# Altium PCB OneChannelPrototype.PcbDoc (part 2 of 2)
Units mil, origin at the board's own origin, x right, y up, seen from the top; angles counter-clockwise.
Board outline 6000 x 4000 mil, 2 copper layers (Top Layer, Bottom Layer); 251 components, 206 nets, 944 pads, 0 vias.
Unrouted connection lines stored in the file: 704.
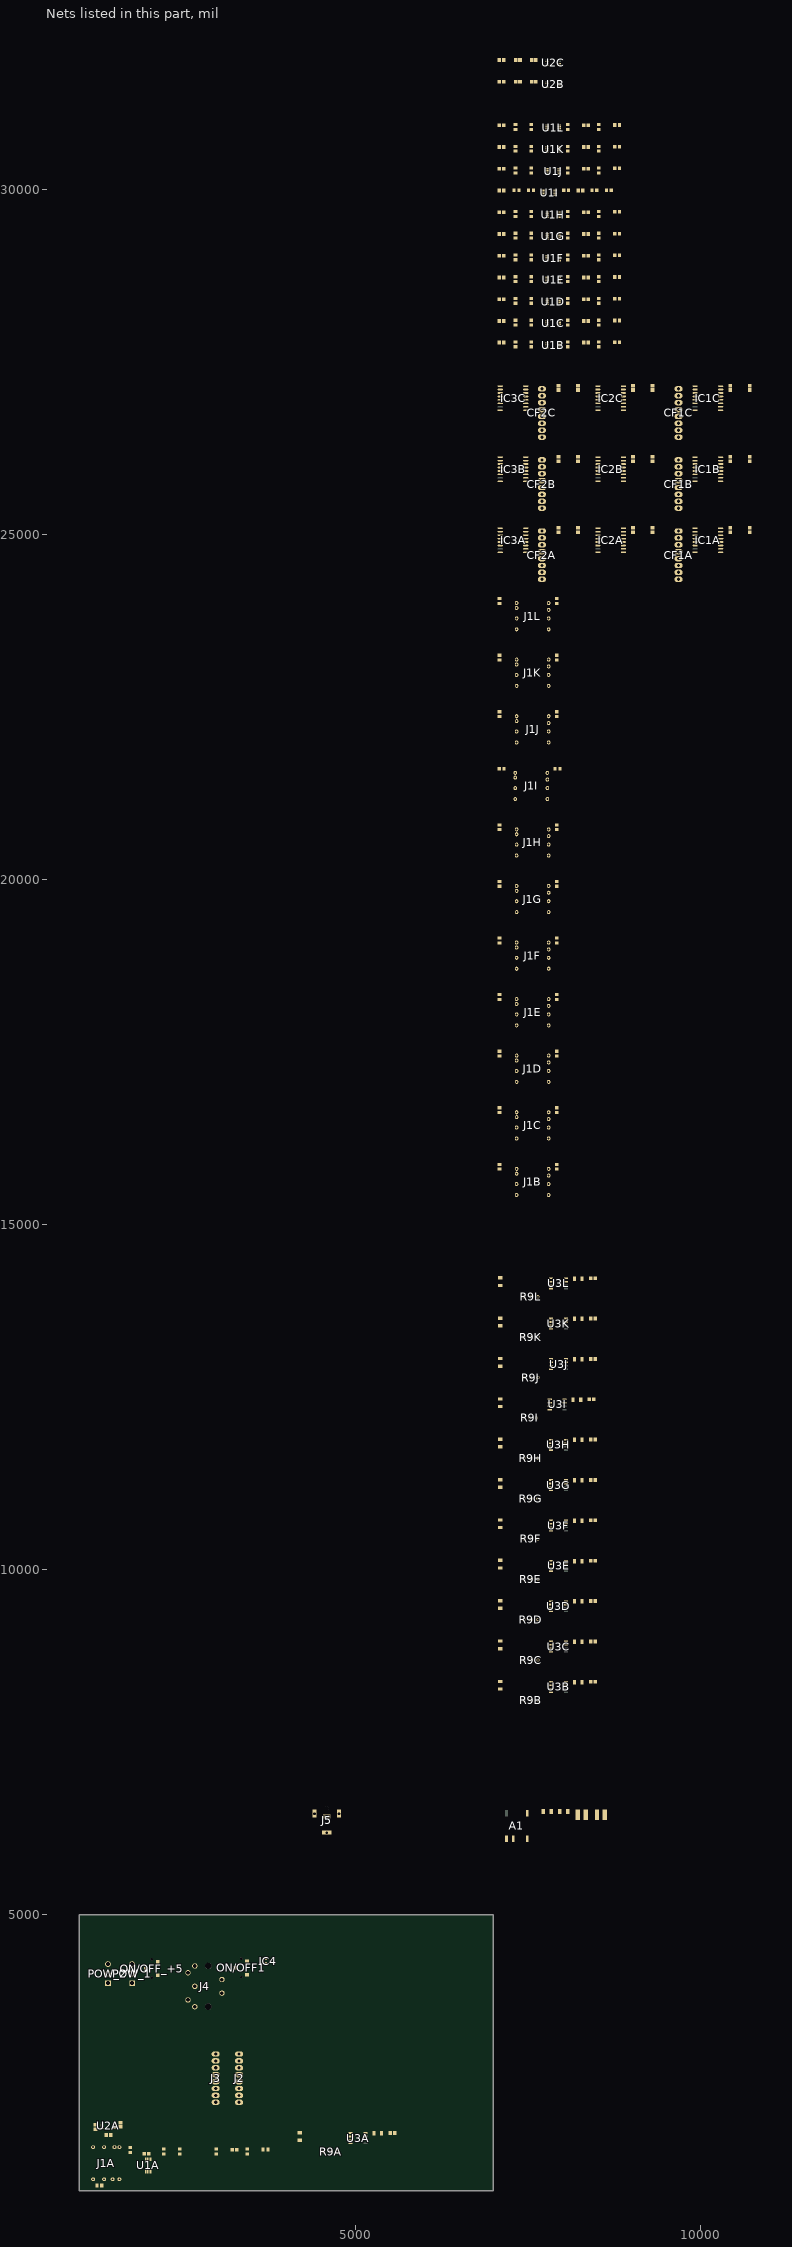
[diagram p2: the nets of this part, all layers, seen from the top]

## Part data
A1: "DC/DC SM 1W 5V-5V SINGLE 4.2KV", Current - Output (Max)=200mA, Device Package="14-SMD Module (5 Leads)", Manufacturer="Murata Power Solutions Inc.", Operating Temperature="-40C ~ 85C", Power (Watts)=1W, Supplier Part Number 1=811-3094-1-ND, Voltage - Input (Max)=5.5V, Voltage - Input (Min)=4.5V, Voltage - Isolation="4.2kV (4200V)", Voltage - Output 1=5V, ComponentLink1Description=Datasheet, ComponentLink1URL=http://power.murata.com/data/power/ncl/kdc_nxj1.pdf, ComponentLink2Description="Digi-Key Listing", ComponentLink2URL=https://www.digikey.com/product-detail/en/murata-power-solutions-inc/NXJ1S0505MC-R7/811-3094-1-ND/5697921, Number Of Outputs=1, PartId=14964, Part Number=NXJ1S0505MC-R7, Price=3.55, Supplier 1=Digi-Key, Type="Isolated Module"
C1A C1B C1C C1D C1E C1F C1G C1H C1I C1J C1K C1L C2A C2B C2C C2D C2E C2F C2G C2H C2I C2J C2K C2L C6A C6B C6C C6D C6E C6F C6G C6H C6I C6J C6K C6L C15A C15B C15C C16A C16B C16C C17A C17B C17C C18A C18B C18C C19A C19B C19C C20A C20B C20C: library part CL21B104KACNNNC, "CAP CER 0.1UF 25V X7R 0805", Device Package="0805 (2012 Metric)", Manufacturer="Samsung Electro-Mechanics America, Inc.", Supplier Part Number 1=1276-1099-2-ND, TemperatureCoefficient=X7R, TemperatureRange="-55C ~ 125C", Tolerance=10%, Voltage=25V, ComponentLink1Description=Datasheet, ComponentLink1URL=http://www.samsungsem.com/kr/support/product-search/mlcc/CL21B104KACNNNC.jsp, ComponentLink2Description="Digi-Key listing", ComponentLink2URL=http://digikey.com/product-detail/en/CL21B104KACNNNC/1276-1099-2-ND/3886757, PartId=5699, Part Number=CL21B104KACNNNC, Price=0.0099, Supplier 1=Digi-Key, Type=-
C3A C3B C3C C4A C4B C4C C5A C5B C5C: library part C0805C105J3RACTU, "CAP CER 1UF 25V X7R 0805", Device Package="0805 (2012 Metric)", Manufacturer=Kemet, Supplier Part Number 1=399-10060-2-ND, TemperatureCoefficient=X7R, TemperatureRange="-55C ~ 125C", Tolerance=5%, Voltage=25V, ComponentLink1Description=Datasheet, ComponentLink1URL=http://www.kemet.com/docfinder?Partnumber=C0805C105J3RACTU, ComponentLink2Description="Digi-Key listing", ComponentLink2URL=http://digikey.com/product-detail/en/C0805C105J3RACTU/399-10060-2-ND/2211758, PartId=6145, Part Number=C0805C105J3RACTU, Price=0.355, Supplier 1=Digi-Key, Type=-
C43: library part CL31B225KCHSNNE, "CAP CER 2.2UF 100V X7R 1206", Device Package="1206 (3216 Metric)", Manufacturer="Samsung Electro-Mechanics America, Inc.", Supplier Part Number 1=1276-3138-2-ND, TemperatureCoefficient=X7R, TemperatureRange="-55C ~ 125C", Tolerance=10%, Voltage=100V, ComponentLink1Description=Datasheet, ComponentLink1URL=http://media.digikey.com/pdf/Data%20Sheets/Samsung%20PDFs/CL31B225KCHSNNE_Spec.pdf, ComponentLink2Description="Digi-Key listing", ComponentLink2URL=http://digikey.com/product-detail/en/CL31B225KCHSNNE/1276-3138-2-ND/3888796, PartId=6260, Part Number=CL31B225KCHSNNE, Price=0.3227, Supplier 1=Digi-Key, Type=-
C44: library part CL31B475KPHNNNE, "CAP CER 4.7UF 10V X7R 1206", Device Package="1206 (3216 Metric)", Manufacturer="Samsung Electro-Mechanics America, Inc.", Supplier Part Number 1=1276-1133-2-ND, TemperatureCoefficient=X7R, TemperatureRange="-55C ~ 125C", Tolerance=10%, Voltage=10V, ComponentLink1Description=Datasheet, ComponentLink1URL=http://www.samsungsem.com/kr/front/downloadcms.do?path=/kr/support/product-search/mlcc/__icsFiles/afieldfile/2014/11/05&fileName=C_CL31B475KPHNNNE.pdf, ComponentLink2Description="Digi-Key Listing", ComponentLink2URL=https://www.digikey.com/product-detail/en/samsung-electro-mechanics-america-inc/CL31B475KPHNNNE/1276-1133-2-ND/3886791, PartId=17410, Part Number=CL31B475KPHNNNE, Price=0.0761, Supplier 1=Digi-Key
CF1A CF1B CF1C CF2A CF2B CF2C J2 J3: "CONN HEADER 8POS .100 VERT TIN", Colour=Natural, Manufacturer="Molex, LLC", Supplier Part Number 1=WM4117-ND, ComponentLink1Description=Datasheet, ComponentLink1URL=http://www.molex.com/pdm_docs/sd/022272081_sd.pdf, ComponentLink2Description="Digi-Key Listing", ComponentLink2URL=http://www.digikey.com/product-search/en?keywords=22-27-2081, Contact Finish=Tin, Fastening Type="Friction Lock", Number Of Positions=8, Number Of Rows=1, PartId=9725, Part Number=0022272081, Pitch="0.100\" (2.54mm)", Price=0.55, Series="KK 6410", Supplier 1=Digi-Key, System=Connector, Type="Header, Unshrouded"
IC1A IC1B IC1C IC2A IC2B IC2C IC3A IC3B IC3C: "DGTL ISO 5KV 4CH GEN PURP 16SOIC", Device Package="16-SOIC (0.295\", 7.50mm Width)", Isolated Power=No, Manufacturer="Silicon Labs", Operating Temperature="-40C ~ 125C", Supplier Part Number 1=336-2083-5-ND, Voltage - Isolation=5000Vrms, Voltage - Supply="2.5 V ~ 5.5 V", Channel Type=Unidirectional, Common Mode Transient Immunity (Min)=35kV/us, ComponentLink1Description=Datasheet, ComponentLink1URL=http://www.silabs.com/Support%20Documents/TechnicalDocs/Si864x.pdf, ComponentLink2Description="Digi-Key Listing", ComponentLink2URL=https://www.digikey.com/product-detail/en/silicon-labs/SI8640BD-B-IS/336-2083-5-ND/2623331, Data Rate=150Mbps, Inputs - Side 1/Side2=4/0, Number of Channels=4, PartId=14404, Part Number=SI8640BD-B-IS, Price=5.01, Propagation Delay tpLH/tpHL (Max)="13ns, 13ns", Pulse Width Distortion (Max)=4.5ns, Rise / Fall Time (Typ)="2.5ns, 2.5ns", Supplier 1=Digi-Key, Technology="Capacitive Coupling", Type="General Purpose"
IC4: "MOSFET N-CH 60V 280MA SOT-323", Current Continuous Drain="280mA (Ta)", Device Package="SC-70, SOT-323", Drain to Source Voltage (Vdss)=60V, Input Capacitance (Ciss) at Vds="43pF @ 25V", Manufacturer="Infineon Technologies", Power - Max=500mW, Supplier Part Number 1=BSS138WH6327XTSA1TR-ND, ComponentLink1Description=Datasheet, ComponentLink1URL=http://www.infineon.com/dgdl/Infineon-BSS138W-DS-v02_43-en.pdf?fileId=db3a304335113a6301351e62fcb4131f, ComponentLink2Description="Digi-Key Listing", ComponentLink2URL=http://www.digikey.com/product-detail/en/BSS138WH6327XTSA1/BSS138WH6327XTSA1TR-ND/5410120, Features="Logic Level Gate", Gate Charge (Qg)="1.5nC @ 10V", PartId=8084, Part Number=BSS138WH6327XTSA1, Price=0.0483, Rds On (Max) at Id, Vgs="3.5 Ohm @ 200mA, 10V", Supplier 1=Digi-Key, Type="MOSFET N-Channel, Metal Oxide", Vgs(th) (Max) at Id="1.4V @ 26uA"
J1A J1B J1C J1D J1E J1F J1G J1H J1I J1J J1K J1L: library part CMP-1692-00003-1, "Female Mid Mount Audio Jack, 6 Position, Height 2.55 mm, Tail Length 2 mm, -25 to 85 degC, RoHS, Tape and Reel", Case/Package=Axial, Current Rating="7 A", Max Operating Temperature=85degC, Min Operating Temperature=-40degC, Package Quantity=500, ComponentLink1Description="Manufacturer URL", ComponentLink1URL=http://www.cui.com/, ComponentLink2Description=Datasheet, ComponentLink2URL=http://www.cui.com/product/resource/sj-3506-smt.pdf, DatasheetVersion="Rev. 1.01, 11/2012", Diameter="3.6 mm", Height="3.6 mm", Impedance="50 Ohm", Length="5 mm", Mount="Through Hole", PackageDescription="Female Mid Mount Audio Jack, 6 Position, Height 2.55 mm, Tail Length 2 mm", PackageReference=SJ-3506-SMT-TR, Packaging=Bulk, Pins=2, Radiation Hardening=No, REACH SVHC="No SVHC", RoHSCompliant=True, Width="3.6 mm"
J4: "CONN RCPT FMALE DIN 5POS SOLDER", Colour=Black, Manufacturer="CUI Inc.", Supplier Part Number 1=CP-2350-ND, ComponentLink1Description=Datasheet, ComponentLink1URL=https://media.digikey.com/pdf/Data%20Sheets/CUI%20Inc%20All%20Brands%20PDFs/SDS-J.pdf, ComponentLink2Description="Digi-Key Listing", ComponentLink2URL=https://www.digikey.com/product-detail/en/cui-inc/SDS-50J/CP-2350-ND/97033, Contact Finish=Tin, Fastening Type=Push-Pull, Number Of Positions=5, Number Of Rows=-, PartId=16458, Part Number=SDS-50J, Pitch=-, Price=1.86, Supplier 1=Digi-Key, Type="Receptacle, Female Sockets"
J5: library part CMP-2000-06898-1, "Through Hole Right Angle DC Power Jack, 8 A, 2 mm Center Pin, 2 Position, -25 to 85 degC, RoHS, Bulk", Current Rating=8A, Flammability Rating=UL94V-0, Insulation Resistance=100MOhms, Manufacturer=CUIInc., Operating Temperature Range=-25Cto+85C, Package Description="2-Pin Through Hole Device, Body 13 x 10 mm, Height 9 mm", Voltage Rating=24V, Brand=CUI, Connector Type=DCPowerJack, Contact Gender=Male, Contact Material=Copper, Contact Plating=Nickel, Datasheet URL=http://www.cui.com/product/resource/pj-063ah.pdf, Datasheet Version="Rev. 1.02, 03/2016", Factory Pack Quantity=500, Housing Material=PolybutyleneTerephthalate(PBT), Inside Contact Diameter=2mm, Manufacturer URL=http://www.cui.com/, Mounting Angle=Right, Mounting Style=KinkedPin, Mounting Technology=ThroughHole, Outside Contact Diameter=6.5mm, Package Reference=PJ-063AH, Product=Jacks, Product Category=DCPowerConnectors, RoHS=True, Termination Style=ThroughHole
L2: "FIXED IND 4.7UH 1.43A 87 MOHM", Current - Saturation=1.43A, DC Resistance (DCR)="87 mOhm Max", Device Package=Nonstandard, Inductance=4.7uH, Manufacturer="TDK Corporation", Operating Temperature="-40C ~ 105C", Supplier Part Number 1=445-8737-2-ND, Tolerance=30%, ComponentLink1Description=Datasheet, ComponentLink1URL=https://product.tdk.com/info/en/catalog/datasheets/inductor_commercial_power_vlcf4024-2_en.pdf, ComponentLink2Description="Digi-Key Listing", ComponentLink2URL=https://www.digikey.com/product-detail/en/tdk-corporation/VLCF4024T-4R7N1R4-2/445-8737-2-ND/3083279, Current Rating=1.43A, Material - Core=Ferrite, PartId=16432, Part Number=VLCF4024T-4R7N1R4-2, Price=0.441, Series=VLCF, Shielding=Shielded, Supplier 1=Digi-Key, Type=Wirewound
L3: "FIXED IND 10UH 900MA 136 MOHM", Current - Saturation=900mA, DC Resistance (DCR)="136 mOhm Max", Device Package=Nonstandard, Inductance=10uH, Manufacturer="TDK Corporation", Operating Temperature="-40C ~ 105C", Supplier Part Number 1=445-8727-2-ND, Tolerance=20%, ComponentLink1Description=Datasheet, ComponentLink1URL=https://product.tdk.com/info/en/catalog/datasheets/inductor_commercial_power_vlcf4024-2_en.pdf, ComponentLink2Description="Digi-Key Listing", ComponentLink2URL=https://www.digikey.com/product-detail/en/tdk-corporation/VLCF4024T-100MR90-2/445-8727-2-ND/3083281, Current Rating=900mA, Material - Core=Ferrite, PartId=16429, Part Number=VLCF4024T-100MR90-2, Price=0.441, Series=VLCF, Shielding=Shielded, Supplier 1=Digi-Key, Type=Wirewound
ON/OFF1 ON/OFF_+5: "SWITCH SLIDE SPDT 200MA 12V", Manufacturer="Nidec Copal Electronics", Operating Temperature="-40°C ~ 85°C", Supplier Part Number 1=563-1318-1-ND, Actuator Type=Standard, Circuit=SPDT, ComponentLink1Description=Datasheet, ComponentLink1URL=https://www.nidec-copal-electronics.com/e/catalog/switch/cl-sb.pdf, ComponentLink2Description="Digi-Key Listing", ComponentLink2URL=https://www.digikey.com/product-detail/en/nidec-copal-electronics/CL-SB-12B-01T/563-1318-1-ND/3507878, Mechanical Life="10,000 Cycles", PartId=16472, Part Number=CL-SB-12B-01T, Price=0.9, Series=CL-SB, Supplier 1=Digi-Key, Switch Function=On-On, Switch Travel=2.00mm, Type="Slide Switches"
POW_1 POW_2: library part CMP-1502-01784-1, "Serie 3211 - 3.50mm Vertical PCB Header WR-TBL, 3 pin", Manufacturer="Wurth Elektronik", Operating Temperature=-40to105degC, Datasheet URL=http://katalog.we-online.de/em/datasheet/6913211000xx.pdf, Gender=Male, Manufacturer URL=http://www.we-online.de, Mounting Technology=THT, Package Reference=691321100003, Packaging=Box, Part Number=691321100003, Pin Number=3, Pitch=3.50mm, Publisher=WurthElektronik
R1A R1B R1C R1D R1E R1F R1G R1H R1I R1J R1K R1L R2A R2B R2C R2D R2E R2F R2G R2H R2I R2J R2K R2L: library part ERA-6AEB4991V, "RES SMD 4.99K OHM 0.1% 1/8W 0805", Device Package="0805 (2012 Metric)", Manufacturer="Panasonic Electronic Components", PowerRating="0.125W, 1/8W", Supplier Part Number 1=P4.99KDATR-ND, TemperatureCoefficient=25ppm/C, TemperatureRange="-55C ~ 155C", Tolerance=0.1%, ComponentLink1Description=Datasheet, ComponentLink1URL=http://industrial.panasonic.com/lecs/www-data/pdf/AOA0000/AOA0000CE26.pdf, ComponentLink2Description="Digi-Key listing", ComponentLink2URL=http://digikey.com/product-detail/en/ERA-6AEB4991V/P4.99KDATR-ND/2025726, PartId=2457, Part Number=ERA-6AEB4991V, Price=0.0653, Supplier 1=Digi-Key, Type="Thin Film"
R3A R3B R3C R3D R3E R3F R3G R3H R3I R3J R3K R3L: library part ERA-6AEB1180V, "RES SMD 118 OHM 0.1% 1/8W 0805", Device Package="0805 (2012 Metric)", Manufacturer="Panasonic Electronic Components", PowerRating="0.125W, 1/8W", Supplier Part Number 1=P118DATR-ND, TemperatureCoefficient=25ppm/C, TemperatureRange="-55C ~ 155C", Tolerance=0.1%, ComponentLink1Description=Datasheet, ComponentLink1URL=http://industrial.panasonic.com/lecs/www-data/pdf/AOA0000/AOA0000CE26.pdf, ComponentLink2Description="Digi-Key listing", ComponentLink2URL=http://digikey.com/product-detail/en/ERA-6AEB1180V/P118DATR-ND/2025579, PartId=2788, Part Number=ERA-6AEB1180V, Price=0.0653, Supplier 1=Digi-Key, Type="Thin Film"
R4A R4B R4C R4D R4E R4F R4G R4H R4I R4J R4K R4L: library part ERA-6AEB1070V, "RES SMD 107 OHM 0.1% 1/8W 0805", Device Package="0805 (2012 Metric)", Manufacturer="Panasonic Electronic Components", PowerRating="0.125W, 1/8W", Supplier Part Number 1=P107DATR-ND, TemperatureCoefficient=25ppm/C, TemperatureRange="-55C ~ 155C", Tolerance=0.1%, ComponentLink1Description=Datasheet, ComponentLink1URL=http://industrial.panasonic.com/lecs/www-data/pdf/AOA0000/AOA0000CE26.pdf, ComponentLink2Description="Digi-Key listing", ComponentLink2URL=http://digikey.com/product-detail/en/ERA-6AEB1070V/P107DATR-ND/2025576, PartId=2810, Part Number=ERA-6AEB1070V, Price=0.0653, Supplier 1=Digi-Key, Type="Thin Film"
R5A R5B R5C R5D R5E R5F R5G R5H R5I R5J R5K R5L: library part ERA-6AEB1022V, "RES SMD 10.2K OHM 0.1% 1/8W 0805", Device Package="0805 (2012 Metric)", Manufacturer="Panasonic Electronic Components", PowerRating="0.125W, 1/8W", Supplier Part Number 1=P10.2KDATR-ND, TemperatureCoefficient=25ppm/C, TemperatureRange="-55C ~ 155C", Tolerance=0.1%, ComponentLink1Description=Datasheet, ComponentLink1URL=http://industrial.panasonic.com/lecs/www-data/pdf/AOA0000/AOA0000CE26.pdf, ComponentLink2Description="Digi-Key listing", ComponentLink2URL=http://digikey.com/product-detail/en/ERA-6AEB1022V/P10.2KDATR-ND/2025754, PartId=2668, Part Number=ERA-6AEB1022V, Price=0.0653, Supplier 1=Digi-Key, Type="Thin Film"
R6A R6B R6C R6D R6E R6F R6G R6H R6I R6J R6K R6L R7A R7B R7C R7D R7E R7F R7G R7H R7I R7J R7K R7L: library part ERJ-6ENF1582V, "RES SMD 15.8K OHM 1% 1/8W 0805", Device Package="0805 (2012 Metric)", Manufacturer="Panasonic Electronic Components", PowerRating="0.125W, 1/8W", Supplier Part Number 1=P15.8KCTR-ND, TemperatureCoefficient=100ppm/C, TemperatureRange="-55C ~ 155C", Tolerance=1%, ComponentLink1Description=Datasheet, ComponentLink1URL=http://industrial.panasonic.com/www-cgi/jvcr13pz.cgi?E+PZ+3+AOA0002+ERJ6ENF1582V+7+WW, ComponentLink2Description="Digi-Key listing", ComponentLink2URL=http://digikey.com/product-detail/en/ERJ-6ENF1582V/P15.8KCTR-ND/6419, PartId=2101, Part Number=ERJ-6ENF1582V, Price=0.0073, Supplier 1=Digi-Key, Type="Thick Film"
R8A R8B R8C R8D R8E R8F R8G R8H R8I R8J R8K R8L: library part ERJ-8ENF1001V, "RES SMD 1K OHM 1% 1/4W 1206", Device Package="1206 (3216 Metric)", Manufacturer="Panasonic Electronic Components", PowerRating="0.25W, 1/4W", Supplier Part Number 1=P1.00KFTR-ND, TemperatureCoefficient=100ppm/C, TemperatureRange="-55C ~ 155C", Tolerance=1%, ComponentLink1Description=Datasheet, ComponentLink1URL=http://industrial.panasonic.com/www-cgi/jvcr13pz.cgi?E+PZ+3+AOA0002+ERJ8ENF1001V+7+WW, ComponentLink2Description="Digi-Key listing", ComponentLink2URL=http://digikey.com/product-detail/en/ERJ-8ENF1001V/P1.00KFTR-ND/86206, PartId=2958, Part Number=ERJ-8ENF1001V, Price=0.0093, Supplier 1=Digi-Key, Type="Thick Film"
R9A R9B R9C R9D R9E R9F R9G R9H R9I R9J R9K R9L: library part 91AR20KLF, "TRIMMER 20K OHM 3/8\" CERMET TH", Manufacturer="TT Electronics/BI", PowerRating="0.5W, 1/2W", Supplier Part Number 1=987-1170-ND, Tolerance=20%, Adjustment Type="Top Adjustment", ComponentLink1Description=Datasheet, ComponentLink1URL=http://www.bitechnologies.com/pdfs/91.pdf, ComponentLink2Description="Digi-Key Listing", ComponentLink2URL=http://www.digikey.ca/product-detail/en/91AR20KLF/987-1170-ND/2408748, Number Of Turns=Single, PartId=7167, Part Number=91AR20KLF, Price=2.25, Supplier 1=Digi-Key, Type="Through Hole"
R10A R10B R10C R10D R10E R10F R10G R10H R10I R10J R10K R10L: library part ERJ-8GEYJ514V, "RES SMD 510K OHM 5% 1/4W 1206", Device Package="1206 (3216 Metric)", Manufacturer="Panasonic Electronic Components", PowerRating="0.25W, 1/4W", Supplier Part Number 1=P510KETR-ND, TemperatureCoefficient=200ppm/C, TemperatureRange="-55C ~ 155C", Tolerance=5%, ComponentLink1Description=Datasheet, ComponentLink1URL=http://industrial.panasonic.com/www-cgi/jvcr13pz.cgi?E+PZ+3+AOA0001+ERJ8GEYJ514V+7+WW, ComponentLink2Description="Digi-Key Listing", ComponentLink2URL=https://www.digikey.com/product-detail/en/panasonic-electronic-components/ERJ-8GEYJ514V/P510KETR-ND/21336, PartId=11855, Part Number=ERJ-8GEYJ514V, Price=0.0045, Supplier 1=Digi-Key
U1A U1B U1C U1D U1E U1F U1G U1H U1I U1J U1K U1L: library part CMP-0944-00060-2, "Precision, 200-uA Supply Current, 36-V Supply Instrumentation Amplifier, -40 to 125 degC, 8-pin SOP (DGK8), Green (RoHS & no Sb/Br)", Input Bias Current (+/-)(Max)(nA)=65, Manufacturer="Texas Instruments", Quiescent Current (+/-)(Typ)(mA)=0.2, CMRR(Min)(dB)=84, Code_JEDEC=MO-187, ComponentLink1Description="Manufacturer URL", ComponentLink1URL=http://www.ti.com/, ComponentLink2Description=Datasheet, ComponentLink2URL=http://www.ti.com/general/docs/lit/getliterature.tsp?genericPartNumber=INA826&fileType=pdf, ComponentLink3Description="Package Specification", ComponentLink3URL=http://www.ti.com/litv/pdf/mpds028d, DatasheetVersion=SBOS562E, Eco-Plan="Green (RoHS & no Sb/Br)", Gain(V/V)="1 to 1000", Input Offset (+/-)(Max)(uV)=150, Input Offset Drift (+/-)(Max)(uV/Degrees Celsius)=2, Mounting Technology="Surface Mount", Noise at 1kHz(Typ)(nV/rt(Hz))=18, Non-Linearity (+/-)(Max)(%)=0.0005, Number of Channels=1, Output Offset (+/-)(Max)(uV)=700, Output Offset Drift (+/-)(Max)(uV/Degrees Celsius)=10, PackageDescription="8-Pin Thin Small Outline, Body 3 x 3 mm, Pitch 0.65 mm", PackageReference=DGK0008A, PackageVersion="4073329/E, 05/2006", PartNumber=INA826AIDGKR, SubFamily="Single Supply", Vs(Max)(V)=36, Vs(Min)(V)=2.7
U2A U2B U2C: library part CMP-0367-00254-2, "Low Noise, Very Low Drift, Precision Voltage Reference, -40 to 125 degC, 8-pin VSSOP (DGK), Green (RoHS & no Sb/Br)", Manufacturer="Texas Instruments", Rating=Catalog, Temp Coeff(Max)(ppm/ degree C)=3, Code_JEDEC=MO-187, ComponentLink1Description="Manufacturer URL", ComponentLink1URL=http://www.ti.com/, ComponentLink2Description=Datasheet, ComponentLink2URL=http://www.ti.com/general/docs/lit/getliterature.tsp?genericPartNumber=REF5050&fileType=pdf, ComponentLink3Description="Package Specification", ComponentLink3URL=http://www.ti.com/litv/pdf/mpds028d, DatasheetVersion=SBOS410E, Eco-Plan="Green (RoHS & no Sb/Br)", Initial Accuracy @ 25/deg C(%)=0.05, Iout/Iz(Max)(mA)=10, Iq(Max)(uA)=1000, Mounting Technology="Surface Mount", PackageDescription="8-Pin Thin Small Outline Package 3 x 3 mm Body ,0.65 mm Pitch", PackageReference=DGK0008A, PackageVersion=4073329/E, PartNumber=REF5050IDGKT, SubFamily="Series Voltage Reference", VI(Max)(V)=18, VI(Min)(V)=5.2, VO(V)=5
U3A U3B U3C U3D U3E U3F U3G U3H U3I U3J U3K U3L: library part CMP-1305-00058-1, "Single Comparator, 5 to 30 V, 0 to 70 degC, 8-Pin SOIC, Pb-Free, Tape and Reel", Manufacturer="On Semiconductor", ComponentLink1Description="Manufacturer URL", ComponentLink1URL=http://www.onsemi.com/, ComponentLink2Description=Datasheet, ComponentLink2URL=http://www.onsemi.com/pub_link/Collateral/LM211-D.PDF, ComponentLink3Description="Package Specification", ComponentLink3URL=http://www.onsemi.com/pub_link/Collateral/751-07.PDF, DatasheetVersion="Rev. 6", ICC Typ (mA)=2.4, Mounting Technology="Surface Mount", PackageDescription="8-Pin Small Outline Integrated Circuit, Body 4.9 x 3.9 mm, Pitch 1.27 mm", PackageReference=SOIC-8-751-07, PackageVersion="Rev. AK, 02/2011", Packing="Tape and Reel", PartNumber=LM311DR2G, RoHS=TRUE, VCC Max (V)=30, VCC Min (V)=5

## Nets (pads, with @x,y where several pads share a name; then routed paths per layer and width w, separated by ;. In a path a pad name is that pad's centre, name@x,y a point inside that pad or via, vN(x,y) a via of type N, cw(c..) or ccw(c..) an arc to the next point about the centre after c; other vN are vias at no path point)
+5: C6A.1 C6B.1 C6C.1 C6D.1 C6E.1 C6F.1 C6G.1 C6H.1 C6I.1 C6J.1 C6K.1 C6L.1 C15A.1 C15B.1 C15C.1 C17A.1 C17B.1 C17C.1 C19A.1 C19B.1 C19C.1 C44.2 IC1A.1 IC1B.1 IC1C.1 IC2A.1 IC2B.1 IC2C.1 IC3A.1 IC3B.1 IC3C.1 J1A.4 J1B.4 J1C.4 J1D.4 J1E.4 J1F.4 J1G.4 J1H.4 J1I.4 J1J.4 J1K.4 J1L.4 J4.2 L2.1 ON/OFF1.3 POW_2.1 R6A.1 R6B.1 R6C.1 R6D.1 R6E.1 R6F.1 R6G.1 R6H.1 R6I.1 R6J.1 R6K.1 R6L.1 R8A.2 R8B.2 R8C.2 R8D.2 R8E.2 R8F.2 R8G.2 R8H.2 R8I.2 R8J.2 R8K.2 R8L.2 U3A.8 U3B.8 U3C.8 U3D.8 U3E.8 U3F.8 U3G.8 U3H.8 U3I.8 U3J.8 U3K.8 U3L.8
+5_OUT: C16A.1 C16B.1 C16C.1 C18A.1 C18B.1 C18C.1 C20A.1 C20B.1 C20C.1 C43.1 IC1A.10 IC1A.16 IC1B.10 IC1B.16 IC1C.10 IC1C.16 IC2A.10 IC2A.16 IC2B.10 IC2B.16 IC2C.10 IC2C.16 IC3A.10 IC3A.16 IC3B.10 IC3B.16 IC3C.10 IC3C.16 L3.2
+12: C1A.1 C1B.1 C1C.1 C1D.1 C1E.1 C1F.1 C1G.1 C1H.1 C1I.1 C1J.1 C1K.1 C1L.1 C3A.2 C3B.2 C3C.2 J4.1 POW_1.1 U1A.8 U1B.8 U1C.8 U1D.8 U1E.8 U1F.8 U1G.8 U1H.8 U1I.8 U1J.8 U1K.8 U1L.8 U2A.2 U2B.2 U2C.2
-5: J4.4 POW_2.3
-5A: 
-12: C2A.2 C2B.2 C2C.2 C2D.2 C2E.2 C2F.2 C2G.2 C2H.2 C2I.2 C2J.2 C2K.2 C2L.2 J4.5 POW_1.3 U1A.5 U1B.5 U1C.5 U1D.5 U1E.5 U1F.5 U1G.5 U1H.5 U1I.5 U1J.5 U1K.5 U1L.5
-12A: 
AGND: 
CF1: IC1C.3 R8A.1 R10A.2 U3A.7
CF2: IC1C.4 R8B.1 R10B.2 U3B.7
CF3: IC1C.5 R8C.1 R10C.2 U3C.7
CF4: IC1C.6 R8D.1 R10D.2 U3D.7
CF5: IC2C.3 R8E.1 R10E.2 U3E.7
CF6: IC2C.4 R8F.1 R10F.2 U3F.7
CF7: IC2C.5 R8G.1 R10G.2 U3G.7
CF8: IC2C.6 R8H.1 R10H.2 U3H.7
CF9: IC3C.3 R8I.1 R10I.2 U3I.7
CF10: IC3C.4 R8J.1 R10J.2 U3J.7
CF11: IC3C.5 R8K.1 R10K.2 U3K.7
CF12: IC3C.6 R8L.1 R10L.2 U3L.7
CF_OUT1A: CF1A.8 IC1A.14
CF_OUT1B: CF1B.8 IC1B.14
CF_OUT1C: CF1C.8 IC1C.14
CF_OUT2A: CF1A.7 IC1A.13
CF_OUT2B: CF1B.7 IC1B.13
CF_OUT2C: CF1C.7 IC1C.13
CF_OUT3A: CF1A.6 IC1A.12
CF_OUT3B: CF1B.6 IC1B.12
CF_OUT3C: CF1C.6 IC1C.12
CF_OUT4A: CF1A.5 IC1A.11
CF_OUT4B: CF1B.5 IC1B.11
CF_OUT4C: CF1C.5 IC1C.11
CF_OUT5A: CF1A.4 IC2A.14
CF_OUT5B: CF1B.4 IC2B.14
CF_OUT5C: CF1C.4 IC2C.14
CF_OUT6A: CF1A.3 IC2A.13
CF_OUT6B: CF1B.3 IC2B.13
CF_OUT6C: CF1C.3 IC2C.13
CF_OUT7A: CF2A.8 IC2A.12
CF_OUT7B: CF2B.8 IC2B.12
CF_OUT7C: CF2C.8 IC2C.12
CF_OUT8A: CF2A.7 IC2A.11
CF_OUT8B: CF2B.7 IC2B.11
CF_OUT8C: CF2C.7 IC2C.11
CF_OUT9A: CF2A.6 IC3A.14
CF_OUT9B: CF2B.6 IC3B.14
CF_OUT9C: CF2C.6 IC3C.14
CF_OUT10A: CF2A.5 IC3A.13
CF_OUT10B: CF2B.5 IC3B.13
CF_OUT10C: CF2C.5 IC3C.13
CF_OUT11A: CF2A.4 IC3A.12
CF_OUT11B: CF2B.4 IC3B.12
CF_OUT11C: CF2C.4 IC3C.12
CF_OUT12A: CF2A.3 IC3A.11
CF_OUT12B: CF2B.3 IC3B.11
CF_OUT12C: CF2C.3 IC3C.11
CONNGD+1: IC1A.3 J1A.5 R7A.2
CONNGD+2: IC1A.4 J1B.5 R7B.2
CONNGD+3: IC1A.5 J1C.5 R7C.2
CONNGD+4: IC1A.6 J1D.5 R7D.2
CONNGD+5: IC2A.3 J1E.5 R7E.2
CONNGD+6: IC2A.4 J1F.5 R7F.2
CONNGD+7: IC2A.5 J1G.5 R7G.2
CONNGD+8: IC2A.6 J1H.5 R7H.2
CONNGD+9: IC3A.3 J1I.5 R7I.2
CONNGD+10: IC3A.4 J1J.5 R7J.2
CONNGD+11: IC3A.5 J1K.5 R7K.2
CONNGD+12: IC3A.6 J1L.5 R7L.2
CONNGD-1: IC1B.3 J1A.6 R6A.2
CONNGD-2: IC1B.4 J1B.6 R6B.2
CONNGD-3: IC1B.5 J1C.6 R6C.2
CONNGD-4: IC1B.6 J1D.6 R6D.2
CONNGD-5: IC2B.3 J1E.6 R6E.2
CONNGD-6: IC2B.4 J1F.6 R6F.2
CONNGD-7: IC2B.5 J1G.6 R6G.2
CONNGD-8: IC2B.6 J1H.6 R6H.2
CONNGD-9: IC3B.3 J1I.6 R6I.2
CONNGD-10: IC3B.4 J1J.6 R6J.2
CONNGD-11: IC3B.5 J1K.6 R6K.2
CONNGD-12: IC3B.6 J1L.6 R6L.2
DGND_Out: A1.7 C16A.2 C16B.2 C16C.2 C18A.2 C18B.2 C18C.2 C20A.2 C20B.2 C20C.2 C43.2 CF1A.1 CF1A.2 CF1B.1 CF1B.2 CF1C.1 CF1C.2 CF2A.1 CF2A.2 CF2B.1 CF2B.2 CF2C.1 CF2C.2 IC1A.9 IC1A.15 IC1B.9 IC1B.15 IC1C.9 IC1C.15 IC2A.9 IC2A.15 IC2B.9 IC2B.15 IC2C.9 IC2C.15 IC3A.9 IC3A.15 IC3B.9 IC3B.15 IC3C.9 IC3C.15
GND: A1.1 C3A.1 C3B.1 C3C.1 C4A.1 C4B.1 C4C.1 C5A.1 C5B.1 C5C.1 C6A.2 C6B.2 C6C.2 C6D.2 C6E.2 C6F.2 C6G.2 C6H.2 C6I.2 C6J.2 C6K.2 C6L.2 C15A.2 C15B.2 C15C.2 C17A.2 C17B.2 C17C.2 C19A.2 C19B.2 C19C.2 C44.1 IC1A.2 IC1A.8 IC1B.2 IC1B.8 IC1C.2 IC1C.8 IC2A.2 IC2A.8 IC2B.2 IC2B.8 IC2C.2 IC2C.8 IC3A.2 IC3A.8 IC3B.2 IC3B.8 IC3C.2 IC3C.8 IC4.3 J2.7 J2.8 J3.7 J3.8 J4.3 J4.S1 J4.S2 J5.2 J5.3 J5.4 ON/OFF1.1 ON/OFF_+5.1 POW_1.2 POW_2.2 R7A.1 R7B.1 R7C.1 R7D.1 R7E.1 R7F.1 R7G.1 R7H.1 R7I.1 R7J.1 R7K.1 R7L.1 R9A.1 R9B.1 R9C.1 R9D.1 R9E.1 R9F.1 R9G.1 R9H.1 R9I.1 R9J.1 R9K.1 R9L.1 U2A.4 U2B.4 U2C.4 U3A.1 U3A.4 U3B.1 U3B.4 U3C.1 U3C.4 U3D.1 U3D.4 U3E.1 U3E.4 U3F.1 U3F.4 U3G.1 U3G.4 U3H.1 U3H.4 U3I.1 U3I.4 U3J.1 U3J.4 U3K.1 U3K.4 U3L.1 U3L.4
NetA1_3: A1.3 L2.2
NetA1_8: A1.8 L3.1
NetC4A_2: C4A.2 U2A.5
NetC4B_2: C4B.2 U2B.5
NetC4C_2: C4C.2 U2C.5
NetC14_2: 
NetC37_1: 
NetC37_2: 
NetIC4_1: IC4.1 ON/OFF1.2
NetIC5_4: 
NetIC5_5: ON/OFF_+5.2
NetR1A_1: R1A.1 R4A.2 R5A.2 U1A.1
NetR1B_1: R1B.1 R4B.2 R5B.2 U1B.1
NetR1C_1: R1C.1 R4C.2 R5C.2 U1C.1
NetR1D_1: R1D.1 R4D.2 R5D.2 U1D.1
NetR1E_1: R1E.1 R4E.2 R5E.2 U1E.1
NetR1F_1: R1F.1 R4F.2 R5F.2 U1F.1
NetR1G_1: R1G.1 R4G.2 R5G.2 U1G.1
NetR1H_1: R1H.1 R4H.2 R5H.2 U1H.1
NetR1I_1: R1I.1 R4I.2 R5I.2 U1I.1
NetR1J_1: R1J.1 R4J.2 R5J.2 U1J.1
NetR1K_1: R1K.1 R4K.2 R5K.2 U1K.1
NetR1L_1: R1L.1 R4L.2 R5L.2 U1L.1
NetR3A_1: R3A.1 U1A.3
NetR3A_2: R3A.2 U1A.2
NetR3B_1: R3B.1 U1B.3
NetR3B_2: R3B.2 U1B.2
NetR3C_1: R3C.1 U1C.3
NetR3C_2: R3C.2 U1C.2
NetR3D_1: R3D.1 U1D.3
NetR3D_2: R3D.2 U1D.2
NetR3E_1: R3E.1 U1E.3
NetR3E_2: R3E.2 U1E.2
NetR3F_1: R3F.1 U1F.3
NetR3F_2: R3F.2 U1F.2
NetR3G_1: R3G.1 U1G.3
NetR3G_2: R3G.2 U1G.2
NetR3H_1: R3H.1 U1H.3
NetR3H_2: R3H.2 U1H.2
NetR3I_1: R3I.1 U1I.3
NetR3I_2: R3I.2 U1I.2
NetR3J_1: R3J.1 U1J.3
NetR3J_2: R3J.2 U1J.2
NetR3K_1: R3K.1 U1K.3
NetR3K_2: R3K.2 U1K.2
NetR3L_1: R3L.1 U1L.3
NetR3L_2: R3L.2 U1L.2
NetR9A_2: R9A.2 R10A.1 U3A.2
NetR9B_2: R9B.2 R10B.1 U3B.2
NetR9C_2: R9C.2 R10C.1 U3C.2
NetR9D_2: R9D.2 R10D.1 U3D.2
NetR9E_2: R9E.2 R10E.1 U3E.2
NetR9F_2: R9F.2 R10F.1 U3F.2
NetR9G_2: R9G.2 R10G.1 U3G.2
NetR9H_2: R9H.2 R10H.1 U3H.2
NetR9I_2: R9I.2 R10I.1 U3I.2
NetR9J_2: R9J.2 R10J.1 U3J.2
NetR9K_2: R9K.2 R10K.1 U3K.2
NetR9L_2: R9L.2 R10L.1 U3L.2
NetR13_2: 
NetR15_2: 
NetR16_1: 
NetR17_1: 
NetR17_2: 
NetR19_1: 
NetR20_1: 
NetR21_1: 
NetR21_2: 
NetR23_1: 
NetU6_2: 
NetU8_2: 
ON/OFF: IC4.2
RTD+1: J1A.3 R2A.1 U1A.4
RTD+2: J1B.3 R2B.1 U1B.4
RTD+3: J1C.3 R2C.1 U1C.4
RTD+4: J1D.3 R2D.1 U1D.4
RTD+5: J1E.3 R2E.1 U1E.4
RTD+6: J1F.3 R2F.1 U1F.4
RTD+7: J1G.3 R2G.1 U1G.4
RTD+8: J1H.3 R2H.1 U1H.4
RTD+9: J1I.3 R2I.1 U1I.4
RTD+10: J1J.3 R2J.1 U1J.4
RTD+11: J1K.3 R2K.1 U1K.4
RTD+12: J1L.3 R2L.1 U1L.4
RTD-1: J1A.2 R4A.1 R5A.1
RTD-2: J1B.2 R4B.1 R5B.1
RTD-3: J1C.2 R4C.1 R5C.1
RTD-4: J1D.2 R4D.1 R5D.1
RTD-5: J1E.2 R4E.1 R5E.1
RTD-6: J1F.2 R4F.1 R5F.1
RTD-7: J1G.2 R4G.1 R5G.1
RTD-8: J1H.2 R4H.1 R5H.1
RTD-9: J1I.2 R4I.1 R5I.1
RTD-10: J1J.2 R4J.1 R5J.1
RTD-11: J1K.2 R4K.1 R5K.1
RTD-12: J1L.2 R4L.1 R5L.1
RTD_GND1: C1A.2 C2A.1 J1A.1 J1A.7 J1A.8 U1A.6
RTD_GND2: C1B.2 C2B.1 J1B.1 J1B.7 J1B.8 U1B.6
RTD_GND3: C1C.2 C2C.1 J1C.1 J1C.7 J1C.8 U1C.6
RTD_GND4: C1D.2 C2D.1 J1D.1 J1D.7 J1D.8 U1D.6
RTD_GND5: C1E.2 C2E.1 J1E.1 J1E.7 J1E.8 U1E.6
RTD_GND6: C1F.2 C2F.1 J1F.1 J1F.7 J1F.8 U1F.6
RTD_GND7: C1G.2 C2G.1 J1G.1 J1G.7 J1G.8 U1G.6
RTD_GND8: C1H.2 C2H.1 J1H.1 J1H.7 J1H.8 U1H.6
RTD_GND9: C1I.2 C2I.1 J1I.1 J1I.7 J1I.8 U1I.6
RTD_GND10: C1J.2 C2J.1 J1J.1 J1J.7 J1J.8 U1J.6
RTD_GND11: C1K.2 C2K.1 J1K.1 J1K.7 J1K.8 U1K.6
RTD_GND12: C1L.2 C2L.1 J1L.1 J1L.7 J1L.8 U1L.6
Vext: J5.1 ON/OFF_+5.3
Vref1: C5A.2 R1A.2 R1B.2 R1C.2 R1D.2 R1E.2 R1F.2 R2A.2 R2B.2 R2C.2 R2D.2 R2E.2 R2F.2 U2A.6
Vref2: C5B.2 R1G.2 R1H.2 R1I.2 R1J.2 R1K.2 R1L.2 R2G.2 R2H.2 R2I.2 R2J.2 R2K.2 R2L.2 U2B.6
Vref3: C5C.2 R9A.3 R9B.3 R9C.3 R9D.3 R9E.3 R9F.3 R9G.3 R9H.3 R9I.3 R9J.3 R9K.3 R9L.3 U2C.6
Vrtd1: J2.1 U1A.7 U3A.3
Vrtd2: J2.2 U1B.7 U3B.3
Vrtd3: J2.3 U1C.7 U3C.3
Vrtd4: J2.4 U1D.7 U3D.3
Vrtd5: J2.5 U1E.7 U3E.3
Vrtd6: J2.6 U1F.7 U3F.3
Vrtd7: J3.1 U1G.7 U3G.3
Vrtd8: J3.2 U1H.7 U3H.3
Vrtd9: J3.3 U1I.7 U3I.3
Vrtd10: J3.4 U1J.7 U3J.3
Vrtd11: J3.5 U1K.7 U3K.3
Vrtd12: J3.6 U1L.7 U3L.3
pads on no net: A1.14 IC1A.7 IC1B.7 IC1C.7 IC2A.7 IC2B.7 IC2C.7 IC3A.7 IC3B.7 IC3C.7 J4.None J5.5 ON/OFF1.MH1 ON/OFF1.MH2 ON/OFF_+5.MH1 ON/OFF_+5.MH2 U2A.1 U2A.3 U2A.7 U2A.8 U2B.1 U2B.3 U2B.7 U2B.8 U2C.1 U2C.3 U2C.7 U2C.8 U3A.5 U3A.6 U3B.5 U3B.6 U3C.5 U3C.6 U3D.5 U3D.6 U3E.5 U3E.6 U3F.5 U3F.6 U3G.5 U3G.6 U3H.5 U3H.6 U3I.5 U3I.6 U3J.5 U3J.6 U3K.5 U3K.6 U3L.5 U3L.6